# KiCad board GR26-1.kicad_pcb
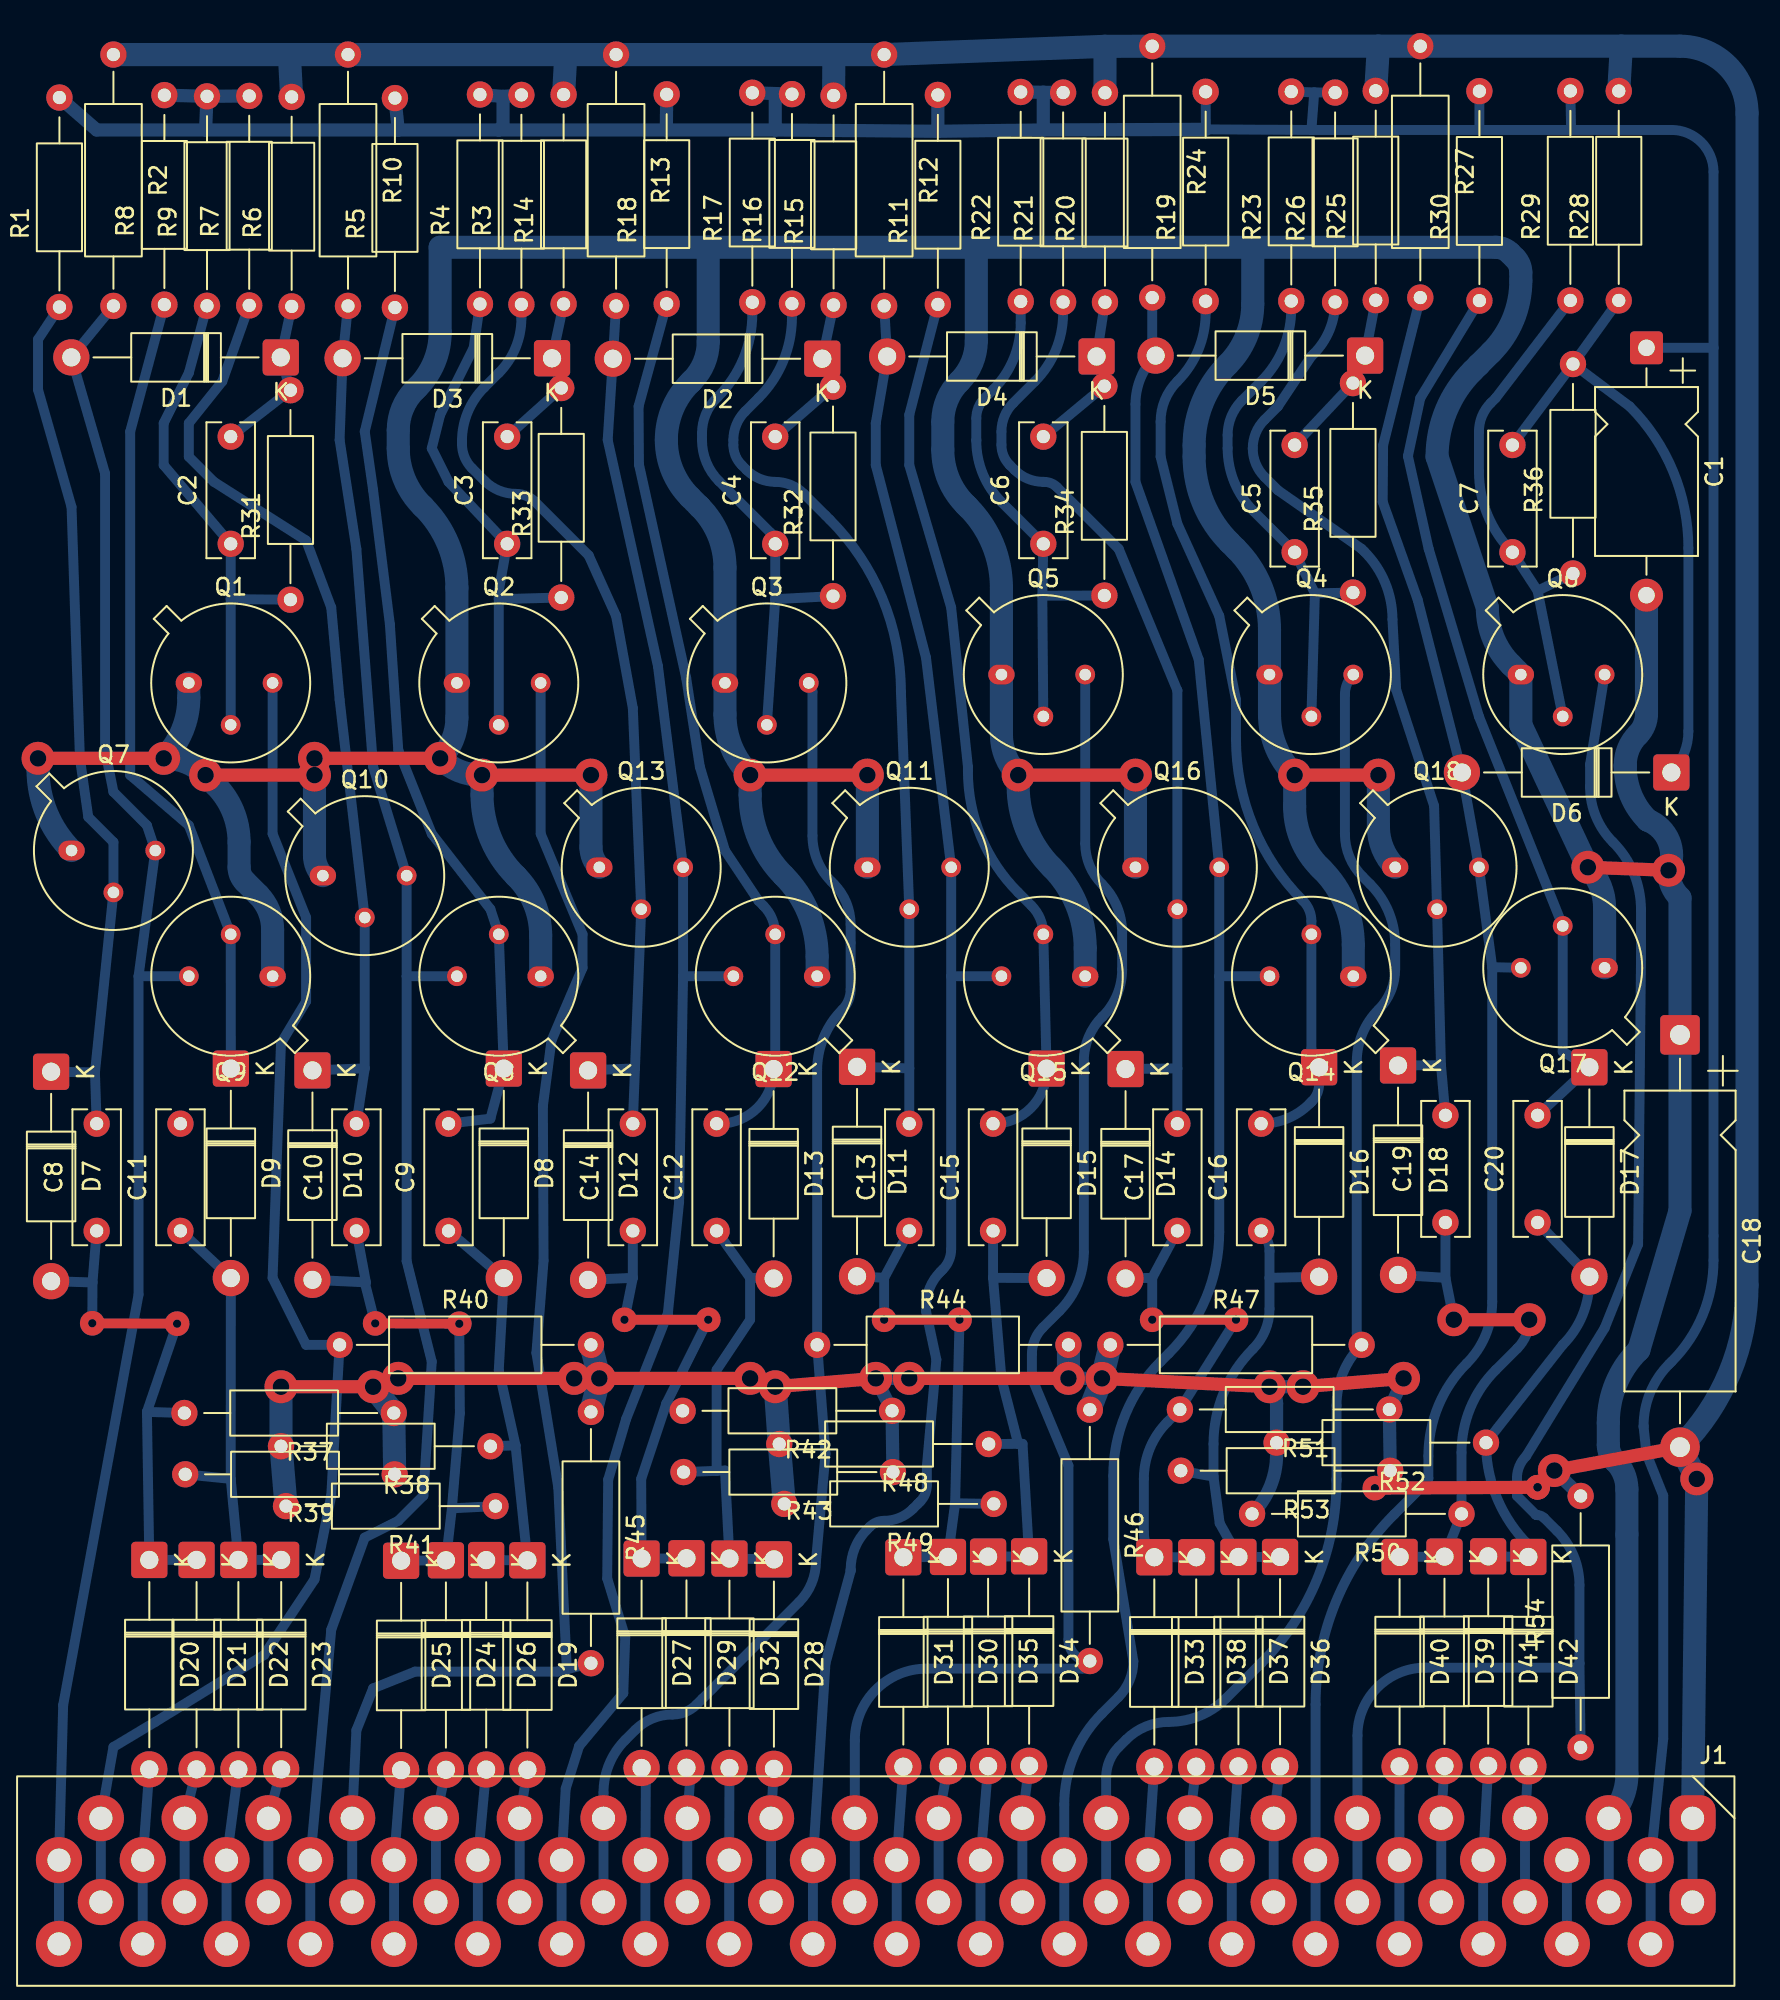
[diagram p0: board, top side]
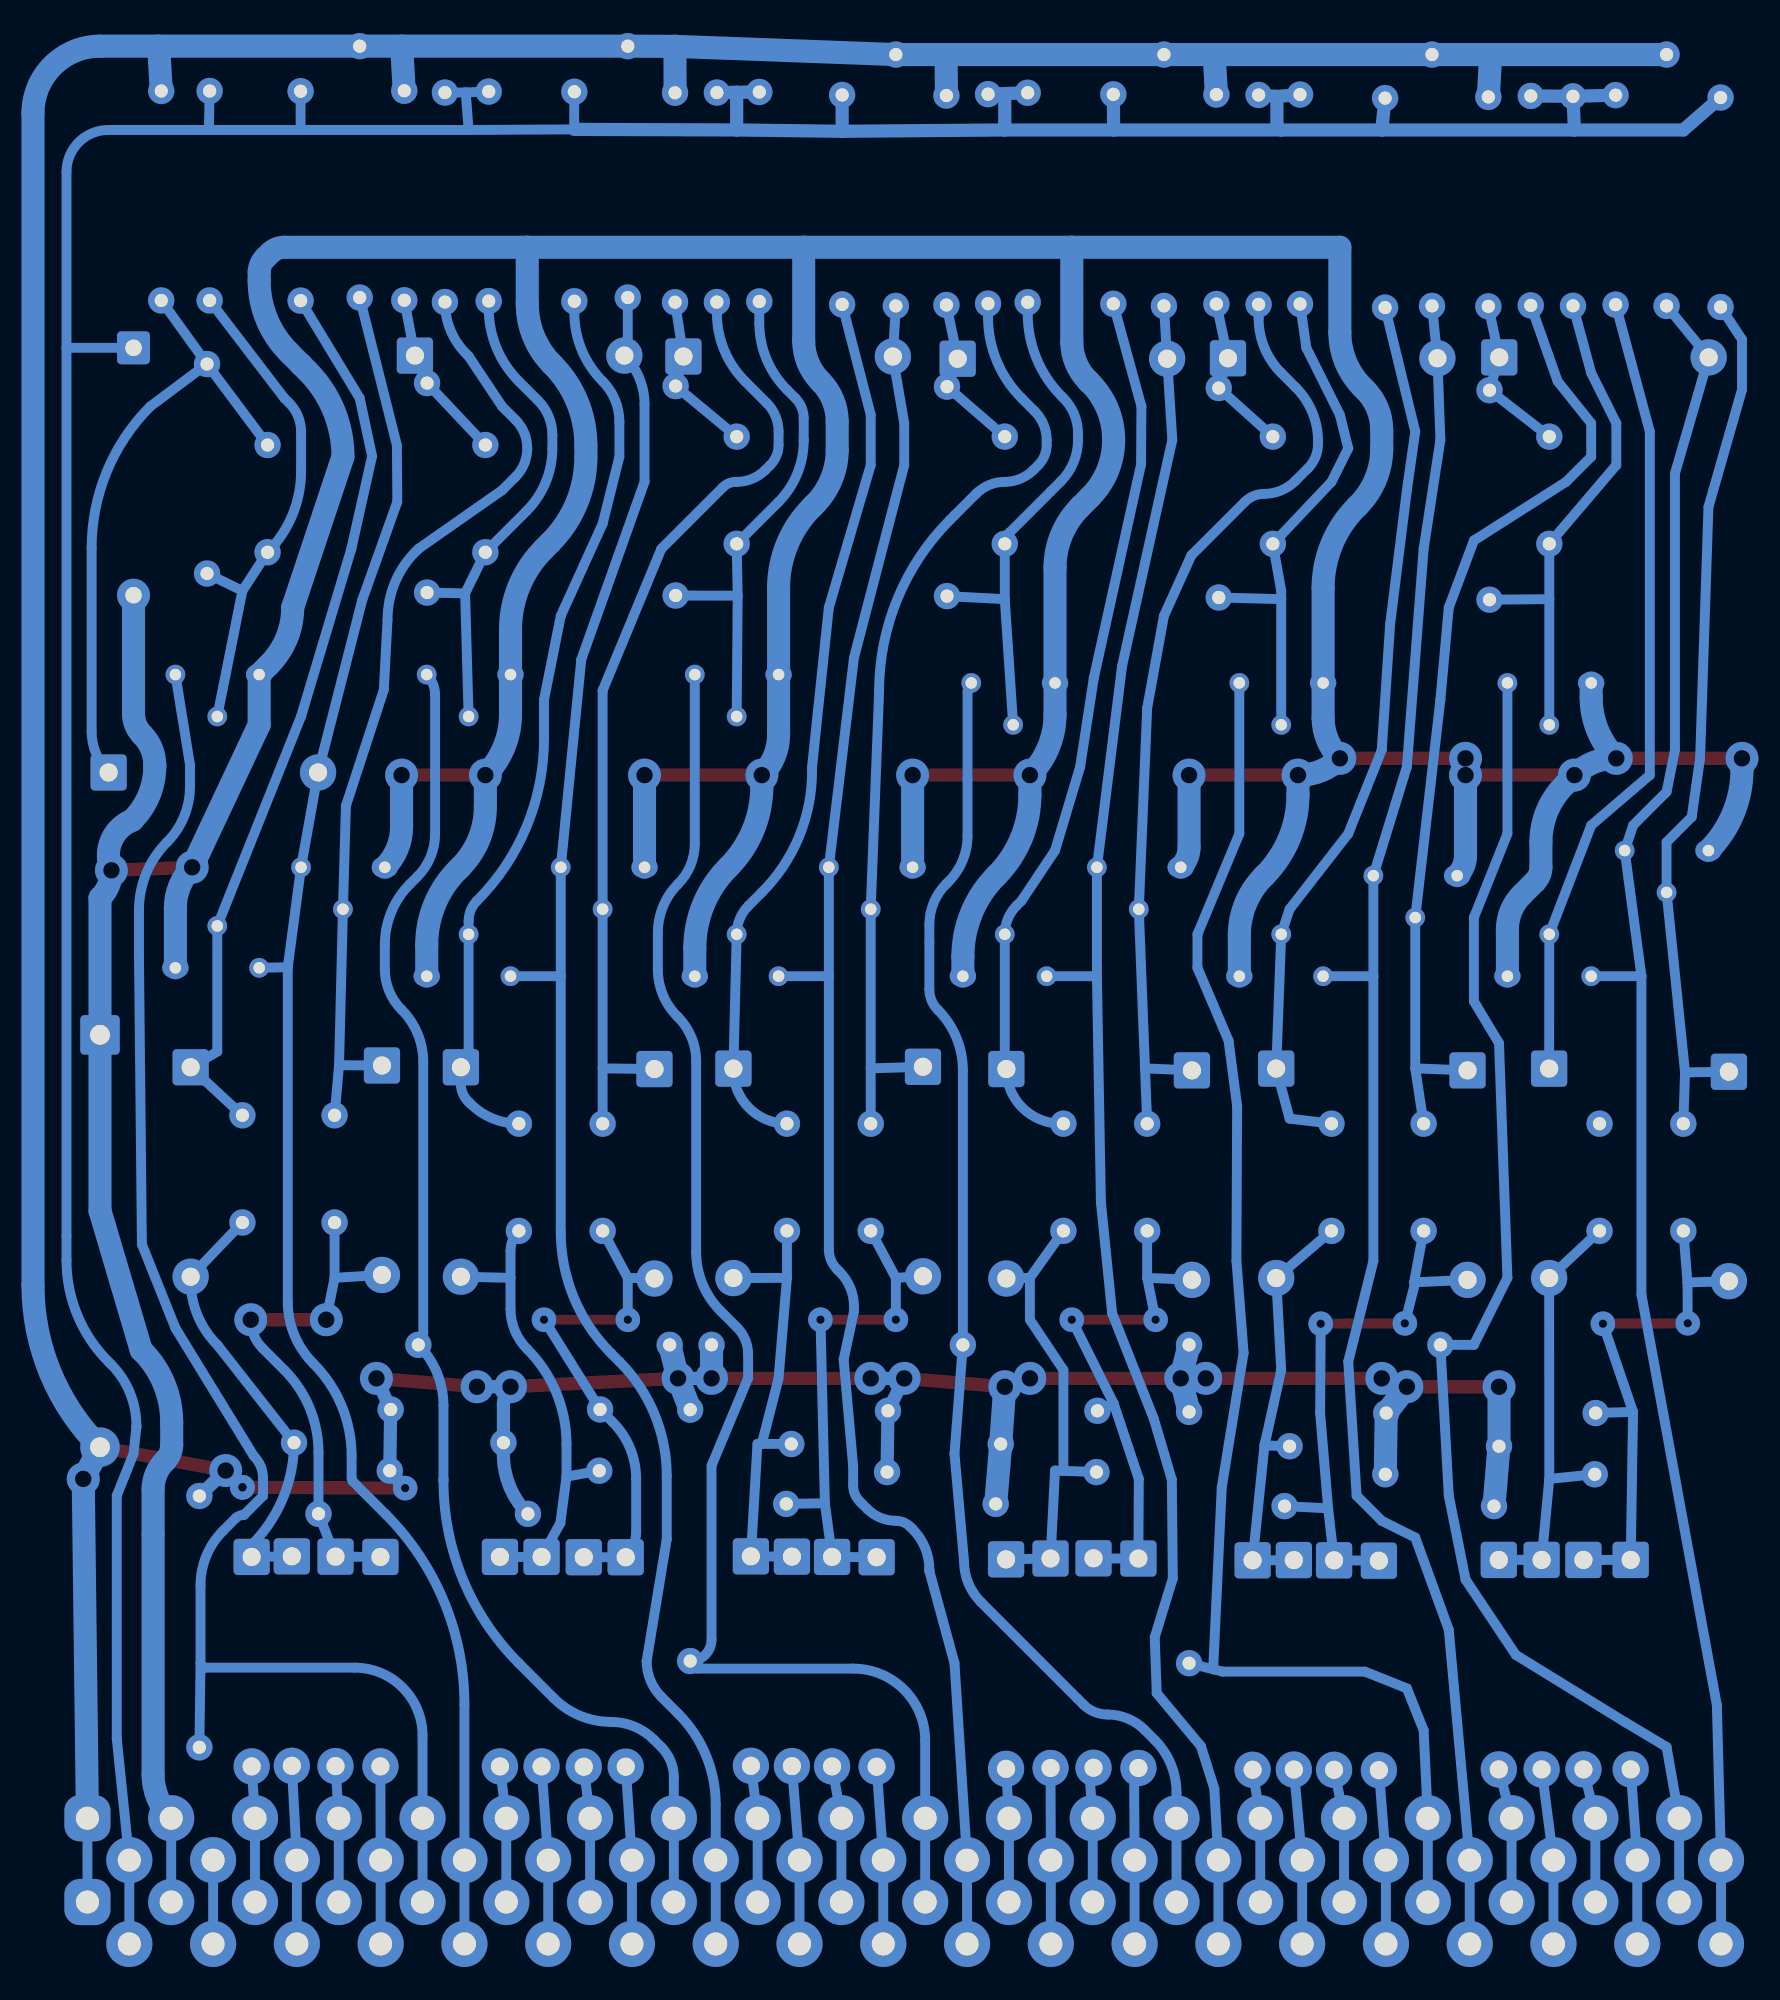
[diagram p1: board, bottom side, seen from below]

No outline. copper layers: Top, Bottom. Coordinates in mm from the lowest, leftmost part position.

## Placement (name value [footprint] x y rotation side)
C1  0.01uF 100V  [CP_Axial_L10.0mm_D6.0mm_P15.00mm_Horizontal]  96.74 89.15 270 top
C2  ~  [C_Rect_L9.0mm_W2.7mm_P7.50mm_MKT]  10.89 77.27 90 top
C3  ~  [C_Rect_L9.0mm_W2.7mm_P7.50mm_MKT]  27.65 77.27 90 top
C4  ~  [C_Rect_L9.0mm_W2.7mm_P7.50mm_MKT]  43.91 77.27 90 top
C5  ~  [C_Rect_L9.0mm_W2.7mm_P7.50mm_MKT]  75.41 76.76 90 top
C6  ~  [C_Rect_L9.0mm_W2.7mm_P7.50mm_MKT]  60.17 77.27 90 top
C7  ~  [C_Rect_L9.0mm_W2.7mm_P7.50mm_MKT]  88.61 76.76 90 top
C8  ~  [C_Rect_L9.0mm_W2.7mm_P7.50mm_MKT]  2.76 35.61 90 top
C9  ~  [C_Rect_L9.0mm_W2.7mm_P7.50mm_MKT]  24.1 35.61 90 top
C10  ~  [C_Rect_L9.0mm_W2.7mm_P7.50mm_MKT]  18.51 35.61 90 top
C11  ~  [C_Rect_L9.0mm_W2.7mm_P7.50mm_MKT]  7.84 35.61 90 top
C12  ~  [C_Rect_L9.0mm_W2.7mm_P7.50mm_MKT]  40.35 35.61 90 top
C13  ~  [C_Rect_L9.0mm_W2.7mm_P7.50mm_MKT]  52.04 35.61 90 top
C14  ~  [C_Rect_L9.0mm_W2.7mm_P7.50mm_MKT]  35.27 35.61 90 top
C15  ~  [C_Rect_L9.0mm_W2.7mm_P7.50mm_MKT]  57.12 35.61 90 top
C16  ~  [C_Rect_L9.0mm_W2.7mm_P7.50mm_MKT]  73.37 35.61 90 top
C17  ~  [C_Rect_L9.0mm_W2.7mm_P7.50mm_MKT]  68.29 35.61 90 top
C18  0.068uF 100V  [CP_Axial_L18.0mm_D6.5mm_P25.00mm_Horizontal]  98.77 47.5 270 top
C19  ~  [C_Rect_L9.0mm_W2.7mm_P7.50mm_MKT]  84.55 36.12 90 top
C20  ~  [C_Rect_L9.0mm_W2.7mm_P7.50mm_MKT]  90.14 36.12 90 top
D1  ~  [D_DO-41_SOD81_P12.70mm_Horizontal]  13.93 88.57 180 top
D2  ~  [D_DO-41_SOD81_P12.70mm_Horizontal]  46.76 88.49 180 top
D3  ~  [D_DO-41_SOD81_P12.70mm_Horizontal]  30.37 88.52 180 top
D4  ~  [D_DO-41_SOD81_P12.70mm_Horizontal]  63.4 88.63 180 top
D5  ~  [D_DO-41_SOD81_P12.70mm_Horizontal]  79.68 88.68 180 top
D6  ~  [D_DO-41_SOD81_P12.70mm_Horizontal]  98.25 63.41 180 top
D7  zener  [D_DO-41_SOD81_P12.70mm_Horizontal]  0 45.26 270 top
D8  zener  [D_DO-41_SOD81_P12.70mm_Horizontal]  27.45 45.45 270 top
D9  zener  [D_DO-41_SOD81_P12.70mm_Horizontal]  10.9 45.45 270 top
D10  zener  [D_DO-41_SOD81_P12.70mm_Horizontal]  15.85 45.34 270 top
D11  zener  [D_DO-41_SOD81_P12.70mm_Horizontal]  48.87 45.56 270 top
D12  zener  [D_DO-41_SOD81_P12.70mm_Horizontal]  32.56 45.34 270 top
D13  zener  [D_DO-41_SOD81_P12.70mm_Horizontal]  43.81 45.42 270 top
D14  zener  [D_DO-41_SOD81_P12.70mm_Horizontal]  65.15 45.42 270 top
D15  zener  [D_DO-41_SOD81_P12.70mm_Horizontal]  60.36 45.45 270 top
D16  zener  [D_DO-41_SOD81_P12.70mm_Horizontal]  76.89 45.53 270 top
D17  zener  [D_DO-41_SOD81_P12.70mm_Horizontal]  93.28 45.53 270 top
D18  zener  [D_DO-41_SOD81_P12.70mm_Horizontal]  81.68 45.64 270 top
D19  ~  [D_DO-41_SOD81_P12.70mm_Horizontal]  28.88 15.64 270 top
D20  ~  [D_DO-41_SOD81_P12.70mm_Horizontal]  5.95 15.66 270 top
D21  ~  [D_DO-41_SOD81_P12.70mm_Horizontal]  8.82 15.66 270 top
D22  ~  [D_DO-41_SOD81_P12.70mm_Horizontal]  11.36 15.66 270 top
D23  ~  [D_DO-41_SOD81_P12.70mm_Horizontal]  13.95 15.66 270 top
D24  ~  [D_DO-41_SOD81_P12.70mm_Horizontal]  23.94 15.64 270 top
D25  ~  [D_DO-41_SOD81_P12.70mm_Horizontal]  21.22 15.62 270 top
D26  ~  [D_DO-41_SOD81_P12.70mm_Horizontal]  26.38 15.65 270 top
D27  ~  [D_DO-41_SOD81_P12.70mm_Horizontal]  35.81 15.75 270 top
D28  ~  [D_DO-41_SOD81_P12.70mm_Horizontal]  43.83 15.7 270 top
D29  ~  [D_DO-41_SOD81_P12.70mm_Horizontal]  38.53 15.76 270 top
D30  ~  [D_DO-41_SOD81_P12.70mm_Horizontal]  54.38 15.84 270 top
D31  ~  [D_DO-41_SOD81_P12.70mm_Horizontal]  51.68 15.83 270 top
D32  ~  [D_DO-41_SOD81_P12.70mm_Horizontal]  41.13 15.75 270 top
D33  ~  [D_DO-41_SOD81_P12.70mm_Horizontal]  66.9 15.83 270 top
D34  ~  [D_DO-41_SOD81_P12.70mm_Horizontal]  59.3 15.88 270 top
D35  ~  [D_DO-41_SOD81_P12.70mm_Horizontal]  56.82 15.86 270 top
D36  ~  [D_DO-41_SOD81_P12.70mm_Horizontal]  74.52 15.84 270 top
D37  ~  [D_DO-41_SOD81_P12.70mm_Horizontal]  72 15.84 270 top
D38  ~  [D_DO-41_SOD81_P12.70mm_Horizontal]  69.44 15.83 270 top
D39  ~  [D_DO-41_SOD81_P12.70mm_Horizontal]  84.49 15.86 270 top
D40  ~  [D_DO-41_SOD81_P12.70mm_Horizontal]  81.77 15.84 270 top
D41  ~  [D_DO-41_SOD81_P12.70mm_Horizontal]  87.14 15.88 270 top
D42  ~  [D_DO-41_SOD81_P12.70mm_Horizontal]  89.58 15.84 270 top
J1  Conn_01x40  [ELCO 40]  99.54 0 0 top
Q1  ~  [TO-5-3]  8.35 68.83 0 top
Q2  ~  [TO-5-3]  24.61 68.83 0 top
Q3  ~  [TO-5-3]  40.86 68.83 0 top
Q4  ~  [TO-5-3]  73.88 69.34 0 top
Q5  ~  [TO-5-3]  57.63 69.34 0 top
Q6  ~  [TO-5-3]  89.12 69.34 0 top
Q7  ~  [TO-5-3]  1.24 58.67 0 top
Q8  ~  [TO-5-3]  29.69 51.05 180 top
Q9  ~  [TO-5-3]  13.43 51.05 180 top
Q10  ~  [TO-5-3]  16.48 57.15 0 top
Q11  ~  [TO-5-3]  49.5 57.66 0 top
Q12  ~  [TO-5-3]  46.45 51.05 180 top
Q13  ~  [TO-5-3]  33.24 57.66 0 top
Q14  ~  [TO-5-3]  78.96 51.05 180 top
Q15  ~  [TO-5-3]  62.71 51.05 180 top
Q16  ~  [TO-5-3]  65.75 57.66 0 top
Q17  ~  [TO-5-3]  94.2 51.56 180 top
Q18  ~  [TO-5-3]  81.5 57.66 0 top
R1  39k  [R_Axial_DIN0207_L6.3mm_D2.5mm_P10.16mm_Horizontal]  0.5 91.63 90 top
R2  2K  [R_Axial_DIN0309_L9.0mm_D3.2mm_P15.24mm_Horizontal]  3.78 106.93 270 top
R3  39k  [R_Axial_DIN0207_L6.3mm_D2.5mm_P10.16mm_Horizontal]  28.52 91.79 90 top
R4  39k  [R_Axial_DIN0207_L6.3mm_D2.5mm_P10.16mm_Horizontal]  26 91.81 90 top
R5  39k  [R_Axial_DIN0207_L6.3mm_D2.5mm_P10.16mm_Horizontal]  20.85 91.59 90 top
R6  5.1k  [R_Axial_DIN0207_L6.3mm_D2.5mm_P10.16mm_Horizontal]  14.59 91.67 90 top
R7  39k  [R_Axial_DIN0207_L6.3mm_D2.5mm_P10.16mm_Horizontal]  12.01 91.73 90 top
R8  39k  [R_Axial_DIN0207_L6.3mm_D2.5mm_P10.16mm_Horizontal]  6.87 91.77 90 top
R9  39k  [R_Axial_DIN0207_L6.3mm_D2.5mm_P10.16mm_Horizontal]  9.45 91.7 90 top
R10  2K  [R_Axial_DIN0309_L9.0mm_D3.2mm_P15.24mm_Horizontal]  18 106.93 270 top
R11  39k  [R_Axial_DIN0207_L6.3mm_D2.5mm_P10.16mm_Horizontal]  53.77 91.79 90 top
R12  2K  [R_Axial_DIN0309_L9.0mm_D3.2mm_P15.24mm_Horizontal]  50.51 106.93 270 top
R13  2K  [R_Axial_DIN0309_L9.0mm_D3.2mm_P15.24mm_Horizontal]  34.26 106.93 270 top
R14  5.1k  [R_Axial_DIN0207_L6.3mm_D2.5mm_P10.16mm_Horizontal]  31.08 91.81 90 top
R15  5.1k  [R_Axial_DIN0207_L6.3mm_D2.5mm_P10.16mm_Horizontal]  47.45 91.75 90 top
R16  39k  [R_Axial_DIN0207_L6.3mm_D2.5mm_P10.16mm_Horizontal]  44.92 91.83 90 top
R17  39k  [R_Axial_DIN0207_L6.3mm_D2.5mm_P10.16mm_Horizontal]  42.52 91.92 90 top
R18  39k  [R_Axial_DIN0207_L6.3mm_D2.5mm_P10.16mm_Horizontal]  37.33 91.82 90 top
R19  39k  [R_Axial_DIN0207_L6.3mm_D2.5mm_P10.16mm_Horizontal]  70.01 91.98 90 top
R20  5.1k  [R_Axial_DIN0207_L6.3mm_D2.5mm_P10.16mm_Horizontal]  63.9 91.92 90 top
R21  39k  [R_Axial_DIN0207_L6.3mm_D2.5mm_P10.16mm_Horizontal]  61.37 91.93 90 top
R22  39k  [R_Axial_DIN0207_L6.3mm_D2.5mm_P10.16mm_Horizontal]  58.8 91.97 90 top
R23  39k  [R_Axial_DIN0207_L6.3mm_D2.5mm_P10.16mm_Horizontal]  75.2 91.99 90 top
R24  2K  [R_Axial_DIN0309_L9.0mm_D3.2mm_P15.24mm_Horizontal]  66.77 107.44 270 top
R25  5.1k  [R_Axial_DIN0207_L6.3mm_D2.5mm_P10.16mm_Horizontal]  80.32 92.04 90 top
R26  39k  [R_Axial_DIN0207_L6.3mm_D2.5mm_P10.16mm_Horizontal]  77.86 91.93 90 top
R27  2K  [R_Axial_DIN0309_L9.0mm_D3.2mm_P15.24mm_Horizontal]  83.03 107.44 270 top
R28  5.1k  [R_Axial_DIN0207_L6.3mm_D2.5mm_P10.16mm_Horizontal]  95.06 92.03 90 top
R29  39k  [R_Axial_DIN0207_L6.3mm_D2.5mm_P10.16mm_Horizontal]  92.13 92.03 90 top
R30  39k  [R_Axial_DIN0207_L6.3mm_D2.5mm_P10.16mm_Horizontal]  86.61 92.01 90 top
R31  5.1k  [R_Axial_DIN0207_L6.3mm_D2.5mm_P10.16mm_Horizontal]  14.51 73.88 90 top
R32  5.1k  [R_Axial_DIN0207_L6.3mm_D2.5mm_P10.16mm_Horizontal]  47.41 74.1 90 top
R33  5.1k  [R_Axial_DIN0207_L6.3mm_D2.5mm_P10.16mm_Horizontal]  30.93 74.01 90 top
R34  5.1k  [R_Axial_DIN0207_L6.3mm_D2.5mm_P10.16mm_Horizontal]  63.87 74.14 90 top
R35  5.1k  [R_Axial_DIN0207_L6.3mm_D2.5mm_P10.16mm_Horizontal]  78.94 74.32 90 top
R36  5.1k  [R_Axial_DIN0207_L6.3mm_D2.5mm_P10.16mm_Horizontal]  92.28 75.47 90 top
R37  5.1k  [R_Axial_DIN0207_L6.3mm_D2.5mm_P10.16mm_Horizontal]  20.78 24.57 180 top
R38  5.1k  [R_Axial_DIN0207_L6.3mm_D2.5mm_P10.16mm_Horizontal]  26.64 22.56 180 top
R39  5.1k  [R_Axial_DIN0207_L6.3mm_D2.5mm_P10.16mm_Horizontal]  20.83 20.85 180 top
R40  2K  [R_Axial_DIN0309_L9.0mm_D3.2mm_P15.24mm_Horizontal]  17.49 28.7 0 top
R41  5.1k  [R_Axial_DIN0207_L6.3mm_D2.5mm_P10.16mm_Horizontal]  26.95 18.92 180 top
R42  5.1k  [R_Axial_DIN0207_L6.3mm_D2.5mm_P10.16mm_Horizontal]  50.99 24.7 180 top
R43  5.1k  [R_Axial_DIN0207_L6.3mm_D2.5mm_P10.16mm_Horizontal]  51.05 20.99 180 top
R44  2K  [R_Axial_DIN0309_L9.0mm_D3.2mm_P15.24mm_Horizontal]  46.45 28.7 0 top
R45  2K  [R_Axial_DIN0309_L9.0mm_D3.2mm_P15.24mm_Horizontal]  32.73 24.64 270 top
R46  2K  [R_Axial_DIN0309_L9.0mm_D3.2mm_P15.24mm_Horizontal]  62.99 24.77 270 top
R47  2K  [R_Axial_DIN0309_L9.0mm_D3.2mm_P15.24mm_Horizontal]  64.23 28.7 0 top
R48  5.1k  [R_Axial_DIN0207_L6.3mm_D2.5mm_P10.16mm_Horizontal]  56.86 22.69 180 top
R49  5.1k  [R_Axial_DIN0207_L6.3mm_D2.5mm_P10.16mm_Horizontal]  57.16 19.06 180 top
R50  5.1k  [R_Axial_DIN0207_L6.3mm_D2.5mm_P10.16mm_Horizontal]  85.52 18.46 180 top
R51  5.1k  [R_Axial_DIN0207_L6.3mm_D2.5mm_P10.16mm_Horizontal]  81.15 24.78 180 top
R52  5.1k  [R_Axial_DIN0207_L6.3mm_D2.5mm_P10.16mm_Horizontal]  87.01 22.77 180 top
R53  5.1k  [R_Axial_DIN0207_L6.3mm_D2.5mm_P10.16mm_Horizontal]  81.2 21.07 180 top
R54  2K  [R_Axial_DIN0309_L9.0mm_D3.2mm_P15.24mm_Horizontal]  92.75 4.3 90 top
